# KiCad board AmigaPCI 68040.kicad_pcb
title: AmigaPCI-040 Local Bus Card; date: 2024-05-31; rev: 2.0
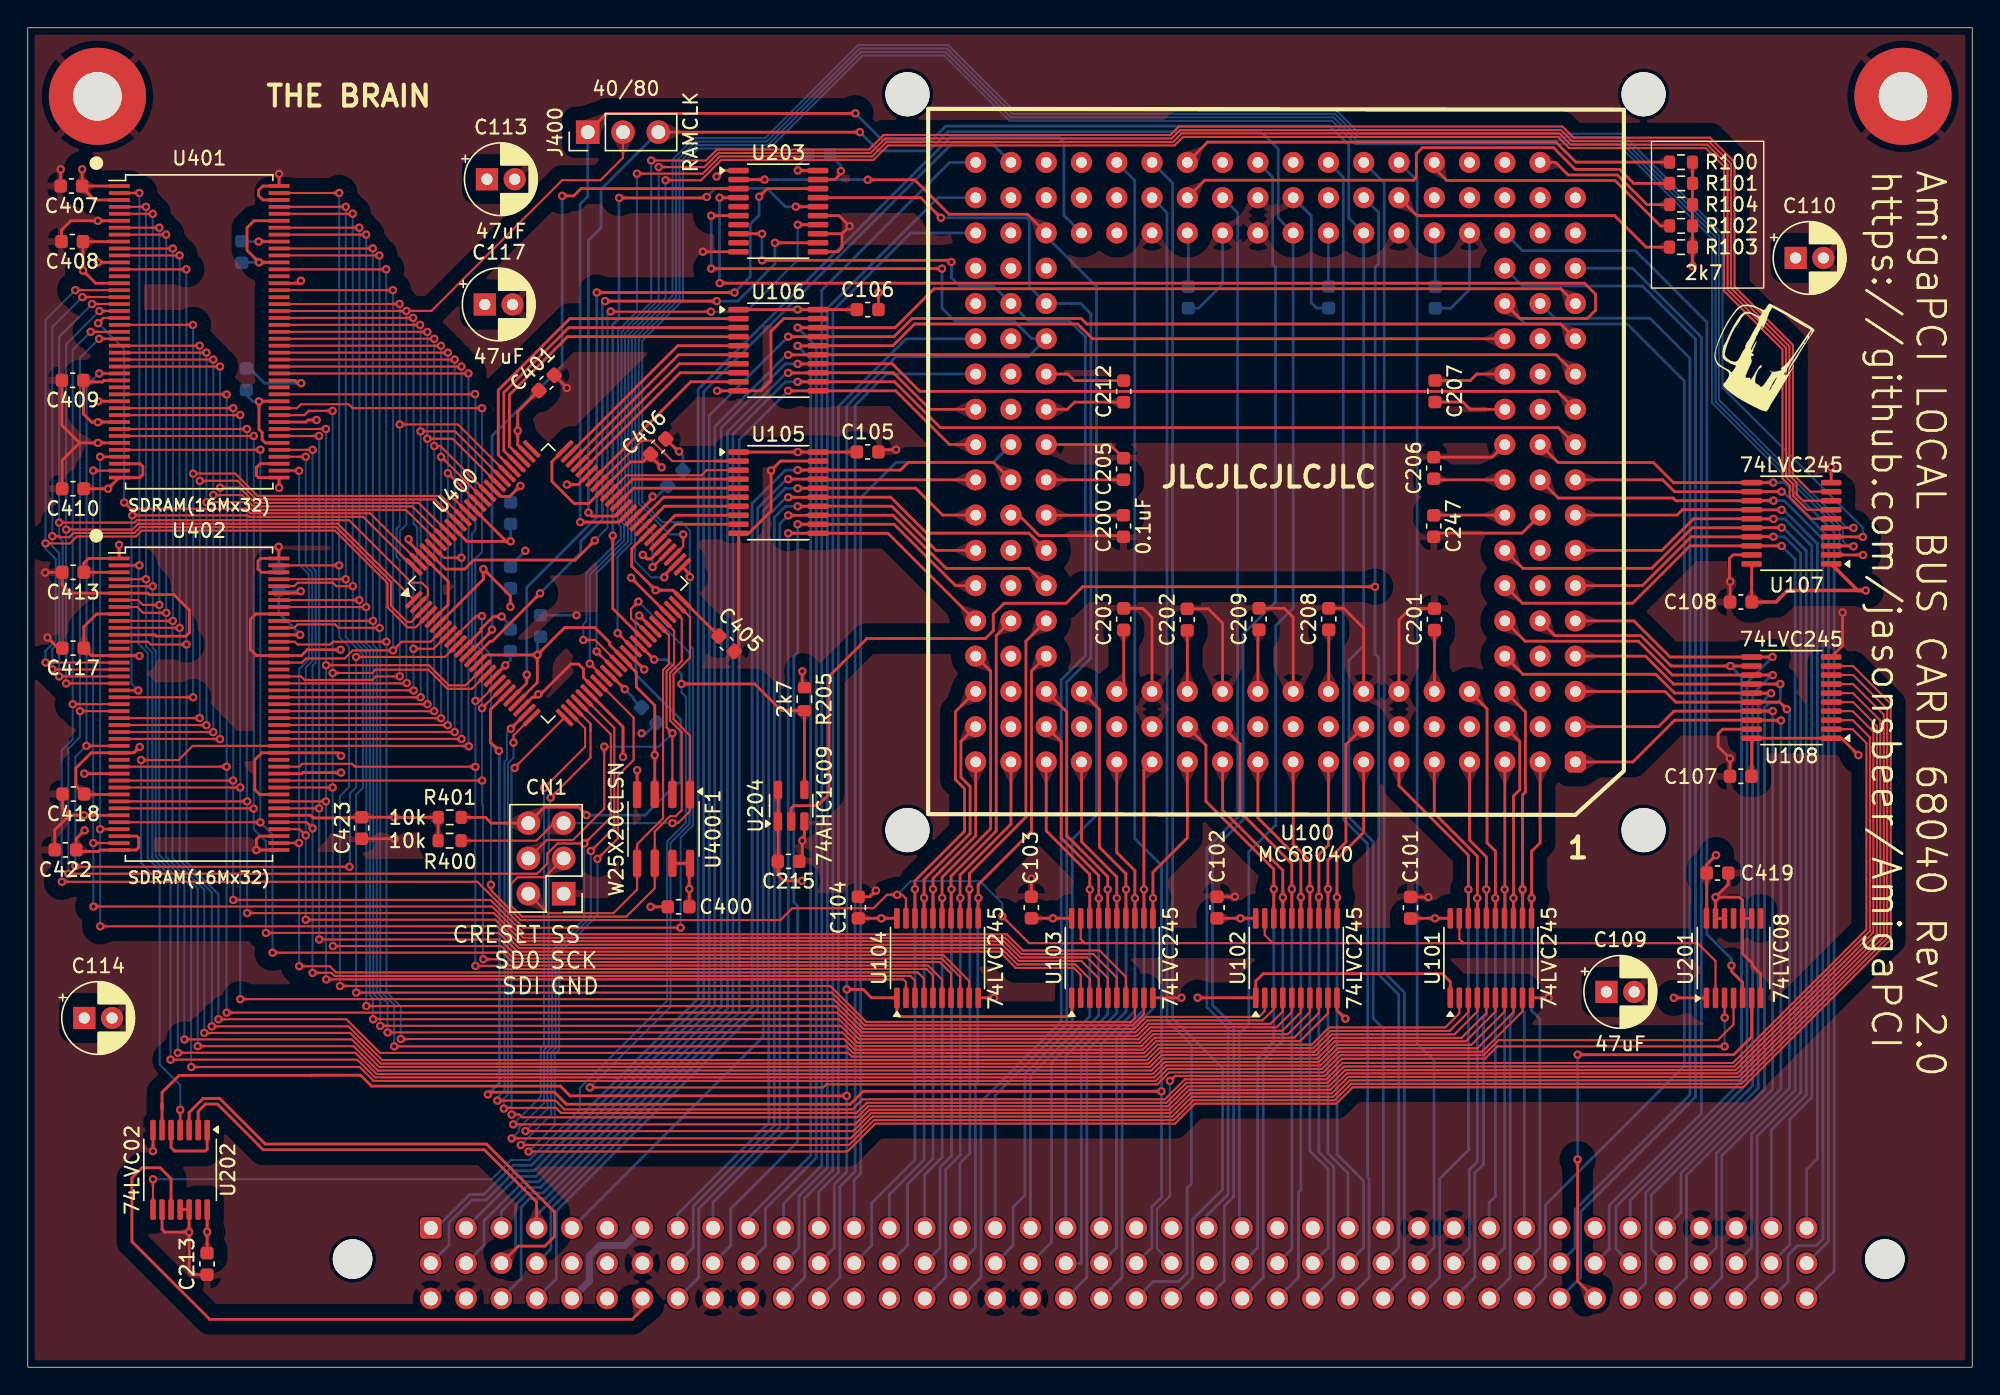
[diagram p0: board, top side]
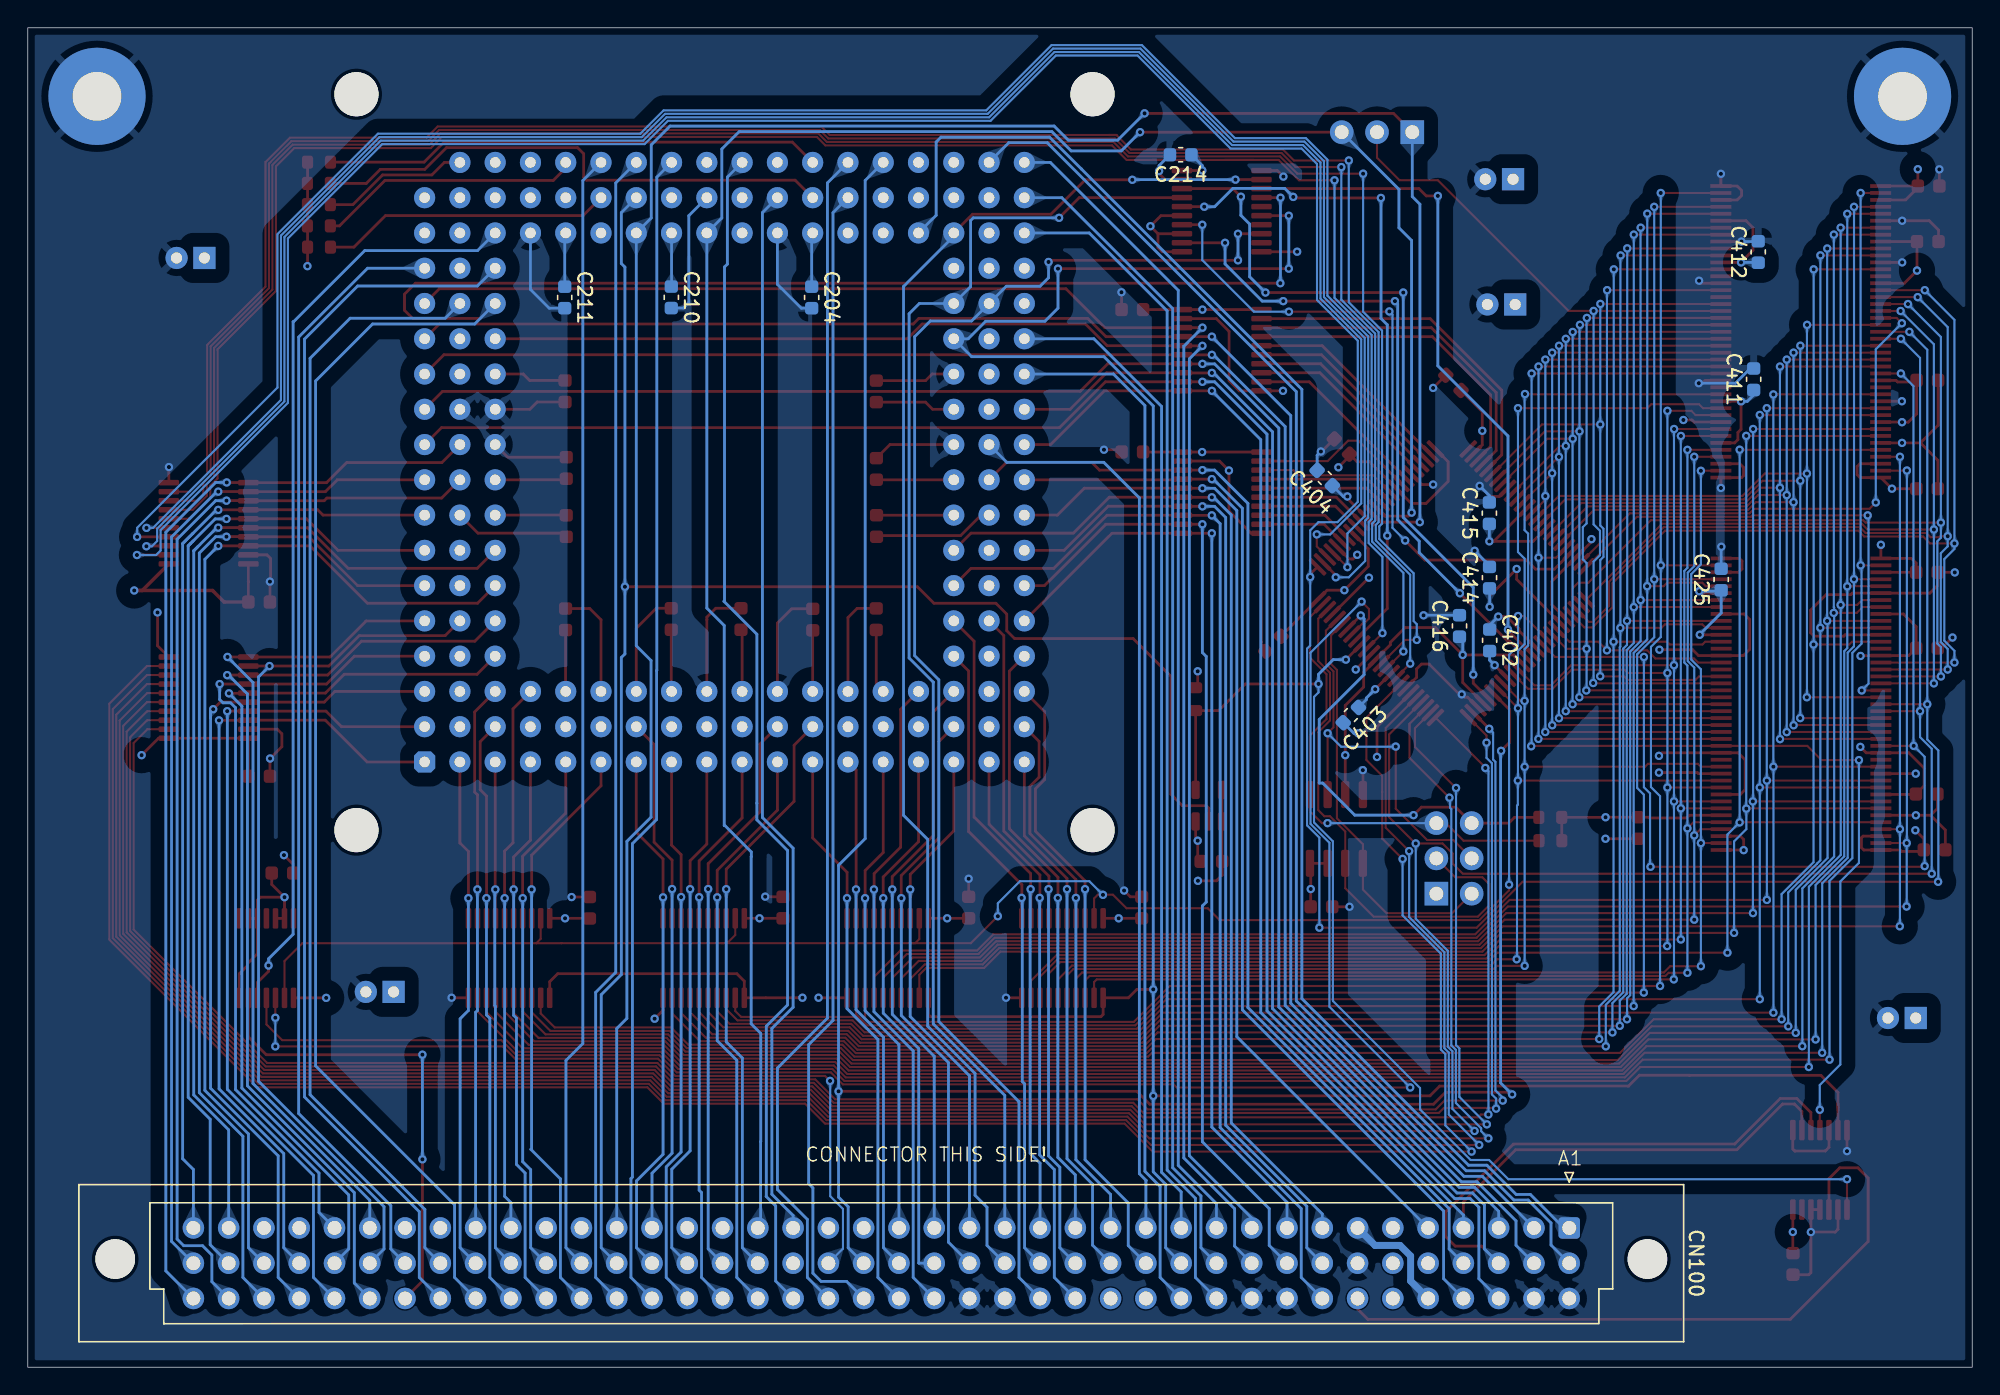
[diagram p1: board, bottom side, seen from below]

Outline 140 x 96.47 mm; copper layers: Top, In1.Cu, In2.Cu, Bottom. Coordinates in mm from the lower left corner of the outline.
Outline path: rectangle 0,96.47 140,0
Stack: Top 0.035mm / dielectric 0.1mm FR4 er 4.5 / In1.Cu 0.035mm / dielectric 1.24mm FR4 er 4.5 / In2.Cu 0.035mm / dielectric 0.1mm FR4 er 4.5 / Bottom 0.035mm

## Placement (name value [footprint] x y rotation side)
C101  0.1uF  [C_0603_1608Metric]  99.56 33.09 90 top
C102  0.1uF  [C_0603_1608Metric]  85.63 33.11 90 top
C103  0.1uF  [C_0603_1608Metric]  72.26 33.11 90 top
C104  0.1uF  [C_0603_1608Metric]  59.8 33.11 90 top
C105  0.1uF  [C_0603_1608Metric]  60.47 65.92 0 top
C106  0.1uF  [C_0603_1608Metric]  60.47 76.17 0 top
C107  0.1uF  [C_0603_1608Metric]  123.34 42.56 180 top
C108  0.1uF  [C_0603_1608Metric]  123.34 55.11 180 top
C109  47uF  [CP_Radial_D5.0mm_P2.00mm]  113.66 27.03 0 top
C110  47uF  [CP_Radial_D5.0mm_P2.00mm]  127.29 79.89 0 top
C113  47uF  [CP_Radial_D5.0mm_P2.00mm]  33.06 85.56 0 top
C114  47uF  [CP_Radial_D5.0mm_P2.00mm]  4.07 25.15 0 top
C117  47uF  [CP_Radial_D5.0mm_P2.00mm]  32.91 76.54 0 top
C200  0.1uF  [C_0603_1608Metric]  78.89 60.59 270 top
C201  0.1uF  [C_0603_1608Metric]  101.28 53.87 90 top
C202  0.1uF  [C_0603_1608Metric]  83.48 53.85 90 top
C203  0.1uF  [C_0603_1608Metric]  78.91 53.88 90 top
C204  0.1uF  [C_0603_1608Metric]  83.56 77.05 270 bottom
C205  0.1uF  [C_0603_1608Metric]  78.9 64.7 90 top
C206  0.1uF  [C_0603_1608Metric]  101.23 64.77 90 top
C207  0.1uF  [C_0603_1608Metric]  101.32 70.29 270 top
C208  0.1uF  [C_0603_1608Metric]  93.67 53.89 90 top
C209  0.1uF  [C_0603_1608Metric]  88.65 53.89 90 top
C210  0.1uF  [C_0603_1608Metric]  93.67 77.06 270 bottom
C211  0.1uF  [C_0603_1608Metric]  101.34 77.05 270 bottom
C212  0.1uF  [C_0603_1608Metric]  78.91 70.28 90 top
C213  0.1uF  [C_0603_1608Metric]  12.91 7.44 90 top
C214  0.1uF  [C_0603_1608Metric]  56.99 87.32 0 bottom
C215  0.1uF  [C_0603_1608Metric]  54.78 36.43 180 top
C247  0.1uF  [C_0603_1608Metric]  101.23 60.58 270 top
C400  0.1uF  [C_0603_1608Metric]  46.86 33.16 0 top
C401  0.1uF  [C_0603_1608Metric]  37.35 70.9 45 top
C402  0.1uF  [C_0603_1608Metric]  34.75 52.36 270 bottom
C403  0.1uF  [C_0603_1608Metric]  44.74 46.97 315 bottom
C404  0.1uF  [C_0603_1608Metric]  46.62 64.04 45 bottom
C405  0.1uF  [C_0603_1608Metric]  50.32 52.1 315 top
C406  0.1uF  [C_0603_1608Metric]  45.38 66.31 45 top
C407  0.1uF  [C_0603_1608Metric]  3.14 85.07 180 top
C408  0.1uF  [C_0603_1608Metric]  3.2 81.07 180 top
C409  0.1uF  [C_0603_1608Metric]  3.23 71.08 180 top
C410  0.1uF  [C_0603_1608Metric]  3.25 63.27 180 top
C411  0.1uF  [C_0603_1608Metric]  15.74 71.16 90 bottom
C412  0.1uF  [C_0603_1608Metric]  15.41 80.32 90 bottom
C413  0.1uF  [C_0603_1608Metric]  3.26 57.25 180 top
C414  0.1uF  [C_0603_1608Metric]  34.76 56.87 90 bottom
C415  0.1uF  [C_0603_1608Metric]  34.77 61.51 90 bottom
C416  0.1uF  [C_0603_1608Metric]  36.92 53.39 90 bottom
C417  0.1uF  [C_0603_1608Metric]  3.26 51.79 180 top
C418  0.1uF  [C_0603_1608Metric]  3.28 41.28 180 top
C419  0.1uF  [C_0603_1608Metric]  121.66 35.59 180 top
C422  0.1uF  [C_0603_1608Metric]  2.71 37.26 180 top
C423  0.1uF  [C_0603_1608Metric]  24.04 38.84 270 top
C425  0.1uF  [C_0603_1608Metric]  18.08 56.73 90 bottom
CN1  SPI  [PinHeader_2x03_P2.54mm_Vertical]  38.58 34.11 180 top
CN100  DIN41612_03x40  [DIN41612_R_3x40_Male_Vertical_THT]  29.02 10.03 270 bottom
G***  LOGO  [Mug]  124.46 73.16 0 top
H1  MountingHole_Pad  [MountingHole_3.5mm_Pad]  5.02 91.53 0 top
H2  MountingHole_Pad  [MountingHole_3.5mm_Pad]  135.02 91.53 0 top
J400  RAMCLK  [PinHeader_1x03_P2.54mm_Vertical]  40.32 88.95 90 top
R100  2k7  [R_0603_1608Metric]  119.03 86.79 180 top
R101  2k7  [R_0603_1608Metric]  119.04 85.26 180 top
R102  2k7  [R_0603_1608Metric]  119.04 82.2 180 top
R103  2k7  [R_0603_1608Metric]  119.03 80.67 180 top
R104  2k7  [R_0603_1608Metric]  119.04 83.73 180 top
R205  2k7  [R_0603_1608Metric]  55.92 48.12 270 top
R400  10k  [R_0603_1608Metric]  30.37 37.92 0 top
R401  10k  [R_0603_1608Metric]  30.38 39.6 0 top
U100  MC68040  [PGA179]  89.84 65.18 0 top
U101  74LVC245  [TSSOP-20_4.4x6.5mm_P0.65mm]  105.35 29.47 90 top
U102  74LVC245  [TSSOP-20_4.4x6.5mm_P0.65mm]  91.34 29.47 90 top
U103  74LVC245  [TSSOP-20_4.4x6.5mm_P0.65mm]  78.09 29.47 90 top
U104  74LVC245  [TSSOP-20_4.4x6.5mm_P0.65mm]  65.5 29.47 90 top
U105  74LVC245  [TSSOP-20_4.4x6.5mm_P0.65mm]  54.04 62.99 0 top
U106  74LVC245  [TSSOP-20_4.4x6.5mm_P0.65mm]  54.04 73.25 0 top
U107  74LVC245  [TSSOP-20_4.4x6.5mm_P0.65mm]  126.98 60.78 180 top
U108  74LVC245  [TSSOP-20_4.4x6.5mm_P0.65mm]  126.98 48.23 180 top
U201  74LVC08  [TSSOP-14_4.4x5mm_P0.65mm]  122.82 29.46 90 top
U202  74LVC02  [TSSOP-14_4.4x5mm_P0.65mm]  10.97 14.21 270 top
U203  74LVC244  [TSSOP-20_4.4x6.5mm_P0.65mm]  54.04 83.26 0 top
U204  74AHC1G09  [SOT-23-5]  54.97 40.44 90 top
U400  ICE40HX1K-VQ100  [LQFP-100_14x14mm_P0.5mm]  37.47 56.46 45 top
U400F1  W25X20CLSN  [SOIC-8_3.9x4.9mm_P1.27mm]  45.78 38.77 270 top
U401  SDRAM(16Mx32)  [TSOP-II-86]  12.35 74.57 0 top
U402  SDRAM(16Mx32)  [TSOP-II-86]  12.33 47.75 0 top

## Library data of the parts
C101-C108 C200-C215 C247 C400-C419 C422 C423 C425 = -: ki_fp_filters: C_*
C109 C110 C113 C114 C117 = -: ki_fp_filters: CP_*
CN1 J400 = -: ki_fp_filters: Connector*:*_1x??_*
CN100 = -: Description: DIN41612 connector, three row, 03x40; ki_fp_filters: DIN41612*2x*
H1 H2 = -: Description: Mounting Hole with connection; ki_fp_filters: MountingHole*Pad*
R100-R104 R400 R401 = -: ki_fp_filters: R_*
R205 = -: Description: Resistor; ki_fp_filters: R_*
U101-U108 = -: Datasheet: http://www.ti.com/lit/gpn/sn74LS245; Description: Octal BUS Transceivers, 3-State outputs; ki_fp_filters: DIP?20*
U201 = -: Datasheet: http://www.ti.com/lit/gpn/sn74LS08; Description: Quad And2; ki_fp_filters: DIP*W7.62mm*
U202 = -: Datasheet: http://www.ti.com/lit/gpn/sn74hc02; Description: quad 2-input NOR gate; ki_fp_filters: SO14* DIP*W7.62mm*
U203 = -: Datasheet: https://assets.nexperia.com/documents/data-sheet/74HC_HCT244.pdf; Description: 8-bit Buffer/Line Driver 3-state; ki_fp_filters: TSSOP*4.4x6.5mm*P0.65mm* SSOP*4.4x6.5mm*P0.65mm*
U204 = -: Datasheet: https://www.ti.com/lit/ds/symlink/sn74ahc1g09.pdf; Description: Single AND Gate, Open Drain, Low-Voltage CMOS; ki_fp_filters: SOT* SG-*
U400 = -: PARTREV: 3.4; STANDARD: IPC 7351B; MANUFACTURER: LATTICE SEMICONDUCTOR; PACKAGE: QFP-100
U400F1 = -: Datasheet: https://www.winbond.com/resource-files/w25x20cl_revf%2020150806.pdf; ki_fp_filters: SOIC*3.9x4.9mm*P1.27mm*
U401 U402 = -: Datasheet: https://www.issi.com/WW/pdf/42-45R-S-32160F.pdf; Description: 16M x 32 bit Synchronous DRAM (SDRAM), TSOP II 86pin

## Footprints (pads in the part's own frame, mm; a bottom-side part is the same pattern mirrored in y, then rotated)
C_0603_1608Metric
  rrect 0.9x0.95 smd: 1(-0.775,0) 2(0.775,0)
CP_Radial_D5.0mm_P2.00mm
  rect 1.6x1.6 hole 0.8: 1(0,0)
  round 1.6 hole 0.8: 2(2,0)
DIN41612_R_3x40_Male_Vertical_THT
  round 2.85 hole 2.85 unplated: (2.24,-104.69) (2.24,5.63)
  rrect 1.55x1.55 hole 1: a1(0,0)
  round 1.55 hole 1: a2(0,-2.54) a3(0,-5.08) a4(0,-7.62) a5(0,-10.16) a6(0,-12.7) a7(0,-15.24) a8(0,-17.78) a9(0,-20.32) a10(0,-22.86) a11(0,-25.4) a12(0,-27.94) a13(0,-30.48) a14(0,-33.02) a15(0,-35.56) a16(0,-38.1) a17(0,-40.64) a18(0,-43.18) a19(0,-45.72) a20(0,-48.26) a21(0,-50.8) a22(0,-53.34) a23(0,-55.88) a24(0,-58.42) a25(0,-60.96) a26(0,-63.5) a27(0,-66.04) a28(0,-68.58) a29(0,-71.12) a30(0,-73.66) a31(0,-76.2) a32(0,-78.74) a33(0,-81.28) a34(0,-83.82) a35(0,-86.36) a36(0,-88.9) a37(0,-91.44) a38(0,-93.98) a39(0,-96.52) a40(0,-99.06) b1(2.54,0) b2(2.54,-2.54) b3(2.54,-5.08) b4(2.54,-7.62) b5(2.54,-10.16) b6(2.54,-12.7) b7(2.54,-15.24) b8(2.54,-17.78) b9(2.54,-20.32) b10(2.54,-22.86) b11(2.54,-25.4) b12(2.54,-27.94) b13(2.54,-30.48) b14(2.54,-33.02) b15(2.54,-35.56) b16(2.54,-38.1) b17(2.54,-40.64) b18(2.54,-43.18) b19(2.54,-45.72) b20(2.54,-48.26) b21(2.54,-50.8) b22(2.54,-53.34) b23(2.54,-55.88) b24(2.54,-58.42) b25(2.54,-60.96) b26(2.54,-63.5) b27(2.54,-66.04) b28(2.54,-68.58) b29(2.54,-71.12) b30(2.54,-73.66) b31(2.54,-76.2) b32(2.54,-78.74) b33(2.54,-81.28) b34(2.54,-83.82) b35(2.54,-86.36) b36(2.54,-88.9) b37(2.54,-91.44) b38(2.54,-93.98) b39(2.54,-96.52) b40(2.54,-99.06) c1(5.08,0) c2(5.08,-2.54) c3(5.08,-5.08) c4(5.08,-7.62) c5(5.08,-10.16) c6(5.08,-12.7) c7(5.08,-15.24) c8(5.08,-17.78) c9(5.08,-20.32) c10(5.08,-22.86) c11(5.08,-25.4) c12(5.08,-27.94) c13(5.08,-30.48) c14(5.08,-33.02) c15(5.08,-35.56) c16(5.08,-38.1) c17(5.08,-40.64) c18(5.08,-43.18) c19(5.08,-45.72) c20(5.08,-48.26) c21(5.08,-50.8) c22(5.08,-53.34) c23(5.08,-55.88) c24(5.08,-58.42) c25(5.08,-60.96) c26(5.08,-63.5) c27(5.08,-66.04) c28(5.08,-68.58) c29(5.08,-71.12) c30(5.08,-73.66) c31(5.08,-76.2) c32(5.08,-78.74) c33(5.08,-81.28) c34(5.08,-83.82) c35(5.08,-86.36) c36(5.08,-88.9) c37(5.08,-91.44) c38(5.08,-93.98) c39(5.08,-96.52) c40(5.08,-99.06)
LQFP-100_14x14mm_P0.5mm
  rrect 1.6x0.3 smd: 1(-7.675,6) 2(-7.675,5.5) 3(-7.675,5) 4(-7.675,4.5) 5(-7.675,4) 6(-7.675,3.5) 7(-7.675,3) 8(-7.675,2.5) 9(-7.675,2) 10(-7.675,1.5) 11(-7.675,1) 12(-7.675,0.5) 13(-7.675,0) 14(-7.675,-0.5) 15(-7.675,-1) 16(-7.675,-1.5) 17(-7.675,-2) 18(-7.675,-2.5) 19(-7.675,-3) 20(-7.675,-3.5) 21(-7.675,-4) 22(-7.675,-4.5) 23(-7.675,-5) 24(-7.675,-5.5) 25(-7.675,-6) 51(7.675,-6) 52(7.675,-5.5) 53(7.675,-5) 54(7.675,-4.5) 55(7.675,-4) 56(7.675,-3.5) 57(7.675,-3) 58(7.675,-2.5) 59(7.675,-2) 60(7.675,-1.5) 61(7.675,-1) 62(7.675,-0.5) 63(7.675,0) 64(7.675,0.5) 65(7.675,1) 66(7.675,1.5) 67(7.675,2) 68(7.675,2.5) 69(7.675,3) 70(7.675,3.5) 71(7.675,4) 72(7.675,4.5) 73(7.675,5) 74(7.675,5.5) 75(7.675,6)
  rrect 0.3x1.6 smd: 26(-6,-7.675) 27(-5.5,-7.675) 28(-5,-7.675) 29(-4.5,-7.675) 30(-4,-7.675) 31(-3.5,-7.675) 32(-3,-7.675) 33(-2.5,-7.675) 34(-2,-7.675) 35(-1.5,-7.675) 36(-1,-7.675) 37(-0.5,-7.675) 38(0,-7.675) 39(0.5,-7.675) 40(1,-7.675) 41(1.5,-7.675) 42(2,-7.675) 43(2.5,-7.675) 44(3,-7.675) 45(3.5,-7.675) 46(4,-7.675) 47(4.5,-7.675) 48(5,-7.675) 49(5.5,-7.675) 50(6,-7.675) 76(6,7.675) 77(5.5,7.675) 78(5,7.675) 79(4.5,7.675) 80(4,7.675) 81(3.5,7.675) 82(3,7.675) 83(2.5,7.675) 84(2,7.675) 85(1.5,7.675) 86(1,7.675) 87(0.5,7.675) 88(0,7.675) 89(-0.5,7.675) 90(-1,7.675) 91(-1.5,7.675) 92(-2,7.675) 93(-2.5,7.675) 94(-3,7.675) 95(-3.5,7.675) 96(-4,7.675) 97(-4.5,7.675) 98(-5,7.675) 99(-5.5,7.675) 100(-6,7.675)
MountingHole_3.5mm_Pad
  round 7 hole 3.5: 1(0,0)
PGA179
  round 3.175 hole 3.175 unplated: (-26.5,26.5) (-26.5,-26.5) (26.5,26.5) (26.5,-26.5)
  rrect 1.524x1.524 hole 0.762: 1(21.59,-21.59)
  round 1.524 hole 0.762: 2(19.05,-21.59) 3(16.51,-21.59) 4(13.97,-21.59) 5(11.43,-21.59) 6(8.89,-21.59) 7(6.35,-21.59) 8(3.81,-21.59) 9(1.27,-21.59) 10(-1.27,-21.59) 11(-3.81,-21.59) 12(-6.35,-21.59) 13(-8.89,-21.59) 14(-11.43,-21.59) 15(-13.97,-21.59) 16(-16.51,-21.59) 17(-19.05,-21.59) 18(-21.59,-21.59) 19(21.59,-19.05) 20(19.05,-19.05) 21(16.51,-19.05) 22(13.97,-19.05) 23(11.43,-19.05) 24(8.89,-19.05) 25(6.35,-19.05) 26(3.81,-19.05) 27(1.27,-19.05) 28(-1.27,-19.05) 29(-3.81,-19.05) 30(-6.35,-19.05) 31(-8.89,-19.05) 32(-11.43,-19.05) 33(-13.97,-19.05) 34(-16.51,-19.05) 35(-19.05,-19.05) 36(-21.59,-19.05) 37(21.59,-16.51) 38(19.05,-16.51) 39(16.51,-16.51) 40(13.97,-16.51) 41(11.43,-16.51) 42(8.89,-16.51) 43(6.35,-16.51) 44(3.81,-16.51) 45(1.27,-16.51) 46(-1.27,-16.51) 47(-3.81,-16.51) 48(-6.35,-16.51) 49(-8.89,-16.51) 50(-11.43,-16.51) 51(-13.97,-16.51) 52(-16.51,-16.51) 53(-19.05,-16.51) 54(-21.59,-16.51) 55(21.59,-13.97) 56(19.05,-13.97) 57(16.51,-13.97) 58(-16.51,-13.97) 59(-19.05,-13.97) 60(-21.59,-13.97) 61(21.59,-11.43) 62(19.05,-11.43) 63(16.51,-11.43) 64(-16.51,-11.43) 65(-19.05,-11.43) 66(-21.59,-11.43) 67(21.59,-8.89) 68(19.05,-8.89) 69(16.51,-8.89) 70(-16.51,-8.89) 71(-19.05,-8.89) 72(-21.59,-8.89) 73(21.59,-6.35) 74(19.05,-6.35) 75(16.51,-6.35) 76(-16.51,-6.35) 77(-19.05,-6.35) 78(-21.59,-6.35) 79(21.59,-3.81) 80(19.05,-3.81) 81(16.51,-3.81) 82(-16.51,-3.81) 83(-19.05,-3.81) 84(-21.59,-3.81) 85(21.59,-1.27) 86(19.05,-1.27) 87(16.51,-1.27) 88(-16.51,-1.27) 89(-19.05,-1.27) 90(-21.59,-1.27) 91(21.59,1.27) 92(19.05,1.27) 93(16.51,1.27) 94(-16.51,1.27) 95(-19.05,1.27) 96(-21.59,1.27) 97(21.59,3.81) 98(19.05,3.81) 99(16.51,3.81) 100(-16.51,3.81) 101(-19.05,3.81) 102(-21.59,3.81) 103(21.59,6.35) 104(19.05,6.35) 105(16.51,6.35) 106(-16.51,6.35) 107(-19.05,6.35) 108(-21.59,6.35) 109(21.59,8.89) 110(19.05,8.89) 111(16.51,8.89) 112(-16.51,8.89) 113(-19.05,8.89) 114(-21.59,8.89) 115(21.59,11.43) 116(19.05,11.43) 117(16.51,11.43) 118(-16.51,11.43) 119(-19.05,11.43) 120(-21.59,11.43) 121(21.59,13.97) 122(19.05,13.97) 123(16.51,13.97) 124(-16.51,13.97) 125(-19.05,13.97) 126(-21.59,13.97) 127(21.59,16.51) 128(19.05,16.51) 129(16.51,16.51) 130(13.97,16.51) 131(11.43,16.51) 132(8.89,16.51) 133(6.35,16.51) 134(3.81,16.51) 135(1.27,16.51) 136(-1.27,16.51) 137(-3.81,16.51) 138(-6.35,16.51) 139(-8.89,16.51) 140(-11.43,16.51) 141(-13.97,16.51) 142(-16.51,16.51) 143(-19.05,16.51) 144(-21.59,16.51) 145(21.59,19.05) 146(19.05,19.05) 147(16.51,19.05) 148(13.97,19.05) 149(11.43,19.05) 150(8.89,19.05) 151(6.35,19.05) 152(3.81,19.05) 153(1.27,19.05) 154(-1.27,19.05) 155(-3.81,19.05) 156(-6.35,19.05) 157(-8.89,19.05) 158(-11.43,19.05) 159(-13.97,19.05) 160(-16.51,19.05) 161(-19.05,19.05) 162(-21.59,19.05) 163(19.05,21.59) 164(16.51,21.59) 165(13.97,21.59) 166(11.43,21.59) 167(8.89,21.59) 168(6.35,21.59) 169(3.81,21.59) 170(1.27,21.59) 171(-1.27,21.59) 172(-3.81,21.59) 173(-6.35,21.59) 174(-8.89,21.59) 175(-11.43,21.59) 176(-13.97,21.59) 177(-16.51,21.59) 178(-19.05,21.59) 179(-21.59,21.59)
PinHeader_1x03_P2.54mm_Vertical
  rect 1.7x1.7 hole 1: 1(0,0)
  oval 1.7x1.7 hole 1: 2(0,-2.54) 3(0,-5.08)
PinHeader_2x03_P2.54mm_Vertical
  rect 1.7x1.7 hole 1: 1(0,0)
  oval 1.7x1.7 hole 1: 2(2.54,0) 3(0,-2.54) 4(2.54,-2.54) 5(0,-5.08) 6(2.54,-5.08)
R_0603_1608Metric
  rrect 0.8x0.95 smd: 1(-0.825,0) 2(0.825,0)
SOIC-8_3.9x4.9mm_P1.27mm
  rrect 1.95x0.6 smd: 1(-2.475,1.905) 2(-2.475,0.635) 3(-2.475,-0.635) 4(-2.475,-1.905) 5(2.475,-1.905) 6(2.475,-0.635) 7(2.475,0.635) 8(2.475,1.905)
SOT-23-5
  rrect 1.325x0.6 smd: 1(-1.137,0.95) 2(-1.137,0) 3(-1.137,-0.95) 4(1.137,-0.95) 5(1.137,0.95)
TSOP-II-86
  rect 1.51x0.27 smd: 1(-5.75,10.5) 2(-5.75,10) 3(-5.75,9.5) 4(-5.75,9) 5(-5.75,8.5) 6(-5.75,8) 7(-5.75,7.5) 8(-5.75,7) 9(-5.75,6.5) 10(-5.75,6) 11(-5.75,5.5) 12(-5.75,5) 13(-5.75,4.5) 14(-5.75,4) 15(-5.75,3.5) 16(-5.75,3) 17(-5.75,2.5) 18(-5.75,2) 19(-5.75,1.5) 20(-5.75,1) 21(-5.75,0.5) 22(-5.75,0) 23(-5.75,-0.5) 24(-5.75,-1) 25(-5.75,-1.5) 26(-5.75,-2) 27(-5.75,-2.5) 28(-5.75,-3) 29(-5.75,-3.5) 30(-5.75,-4) 31(-5.75,-4.5) 32(-5.75,-5) 33(-5.75,-5.5) 34(-5.75,-6) 35(-5.75,-6.5) 36(-5.75,-7) 37(-5.75,-7.5) 38(-5.75,-8) 39(-5.75,-8.5) 40(-5.75,-9) 41(-5.75,-9.5) 42(-5.75,-10) 43(-5.75,-10.5) 44(5.75,-10.5) 45(5.75,-10) 46(5.75,-9.5) 47(5.75,-9) 48(5.75,-8.5) 49(5.75,-8) 50(5.75,-7.5) 51(5.75,-7) 52(5.75,-6.5) 53(5.75,-6) 54(5.75,-5.5) 55(5.75,-5) 56(5.75,-4.5) 57(5.75,-4) 58(5.75,-3.5) 59(5.75,-3) 60(5.75,-2.5) 61(5.75,-2) 62(5.75,-1.5) 63(5.75,-1) 64(5.75,-0.5) 65(5.75,0) 66(5.75,0.5) 67(5.75,1) 68(5.75,1.5) 69(5.75,2) 70(5.75,2.5) 71(5.75,3) 72(5.75,3.5) 73(5.75,4) 74(5.75,4.5) 75(5.75,5) 76(5.75,5.5) 77(5.75,6) 78(5.75,6.5) 79(5.75,7) 80(5.75,7.5) 81(5.75,8) 82(5.75,8.5) 83(5.75,9) 84(5.75,9.5) 85(5.75,10) 86(5.75,10.5)
TSSOP-14_4.4x5mm_P0.65mm
  rrect 1.475x0.4 smd: 1(-2.862,1.95) 2(-2.862,1.3) 3(-2.862,0.65) 4(-2.862,0) 5(-2.862,-0.65) 6(-2.862,-1.3) 7(-2.862,-1.95) 8(2.862,-1.95) 9(2.862,-1.3) 10(2.862,-0.65) 11(2.862,0) 12(2.862,0.65) 13(2.862,1.3) 14(2.862,1.95)
TSSOP-20_4.4x6.5mm_P0.65mm
  rrect 1.475x0.4 smd: 1(-2.862,2.925) 2(-2.862,2.275) 3(-2.862,1.625) 4(-2.862,0.975) 5(-2.862,0.325) 6(-2.862,-0.325) 7(-2.862,-0.975) 8(-2.862,-1.625) 9(-2.862,-2.275) 10(-2.862,-2.925) 11(2.862,-2.925) 12(2.862,-2.275) 13(2.862,-1.625) 14(2.862,-0.975) 15(2.862,-0.325) 16(2.862,0.325) 17(2.862,0.975) 18(2.862,1.625) 19(2.862,2.275) 20(2.862,2.925)

## Nets
+1V2: C117.1 C401.1 C402.1 C403.1 C404.1 CN100.a6 U400.11 U400.35 U400.61 U400.77
+3V3: C101.1 C102.1 C103.1 C104.1 C105.1 C106.1 C107.1 C108.1 C113.1 C114.1 C213.2 C214.1 C215.2 C400.2 C405.1 C406.1 C407.1 C408.1 C409.1 C410.1 C411.1 C412.1 C413.1 C414.1 C415.1 C416.1 C417.1 C418.1 C419.2 C422.1 C423.1 C425.1 CN100.a21 CN100.a34 CN100.b5 CN100.b6 CN100.c13 CN100.c14 R205.1 R400.1 R401.1 U101.20 U102.20 U103.20 U104.20 U105.1 U105.20 U106.1 U106.20 U107.1 U107.20 U108.1 U108.20 U201.1 U201.14 U202.14 U203.20 U204.1 U204.5 U400.6 U400.14 U400.22 U400.31 U400.38 U400.50 U400.58 U400.67 U400.75 U400.88 U400.92 U400F1.3 U400F1.7 U400F1.8 U401.1 U401.3 U401.9 U401.15 U401.29 U401.35 U401.41 U401.43 U401.49 U401.55 U401.75 U401.81 U402.1 U402.3 U402.9 U402.15 U402.29 U402.35 U402.41 U402.43 U402.49 U402.55 U402.75 U402.81
+5V: C109.1 C110.1 C200.1 C201.1 C202.1 C203.1 C204.1 C205.1 C206.1 C207.1 C208.1 C209.1 C210.1 C211.1 C212.1 C247.1 CN100.a7 CN100.a22 CN100.a25 CN100.a26 CN100.a33 CN100.c5 R100.1 R101.1 R102.1 R103.1 R104.1 U100.23 U100.27 U100.32 U100.38 U100.41 U100.44 U100.46 U100.48 U100.50 U100.53 U100.74 U100.77 U100.81 U100.82 U100.87 U100.88 U100.100 U100.104 U100.105 U100.107 U100.128 U100.131 U100.134 U100.138 U100.143 U100.152 U100.160
GND: C101.2 C102.2 C103.2 C104.2 C105.2 C106.2 C107.2 C108.2 C109.2 C110.2 C113.2 C114.2 C117.2 C200.2 C201.2 C202.2 C203.2 C204.2 C205.2 C206.2 C207.2 C208.2 C209.2 C210.2 C211.2 C212.2 C213.1 C214.2 C215.1 C247.2 C400.1 C401.2 C402.2 C403.2 C404.2 C405.2 C406.2 C407.2 C408.2 C409.2 C410.2 C411.2 C412.2 C413.2 C414.2 C415.2 C416.2 C417.2 C418.2 C419.1 C422.2 C423.2 C425.2 CN1.1 CN100.a29 CN100.a30 CN100.a37 CN100.a38 CN100.b7 CN100.c1 CN100.c2 CN100.c9 CN100.c10 CN100.c17 CN100.c18 H1.1 H2.1 U100.20 U100.22 U100.24 U100.26 U100.28 U100.31 U100.33 U100.35 U100.42 U100.43 U100.45 U100.47 U100.49 U100.56 U100.59 U100.68 U100.71 U100.80 U100.83 U100.93 U100.94 U100.98 U100.99 U100.101 U100.106 U100.110 U100.113 U100.122 U100.125 U100.130 U100.132 U100.136 U100.137 U100.139 U100.146 U100.153 U100.154 U100.159 U100.161 U100.165 U100.172 U101.10 U102.10 U103.10 U104.10 U105.10 U105.19 U106.10 U106.19 U107.10 U107.19 U108.10 U108.19 U201.7 U201.9 U201.10 U201.12 U201.13 U202.7 U202.9 U202.11 U202.12 U203.1 U203.10 U203.11 U203.13 U203.15 U203.19 U204.3 U400.5 U400.17 U400.23 U400.32 U400.39 U400.47 U400.55 U400.70 U400.84 U400.98 U400F1.4 U401.6 U401.12 U401.32 U401.38 U401.44 U401.46 U401.52 U401.58 U401.72 U401.78 U401.84 U401.86 U402.6 U402.12 U402.32 U402.38 U402.44 U402.46 U402.52 U402.58 U402.72 U402.78 U402.84 U402.86
/Card Connector/CDONE: U201.4 U400.43
/Card Connector/U109_CRESET: CN1.6 R401.2 U400.44
/Card Connector/U109_SCK: CN1.3 U400.48 U400F1.6
/Card Connector/U109_SDI: CN1.2 U400.45 U400F1.5
/Card Connector/U109_SDO: CN1.4 U400.46 U400F1.2
/Card Connector/U109_SS: CN1.5 R400.2 U400.49 U400F1.1
/CPU/_CDIS: R102.2 U100.166
/CPU/_MDIS: R103.2 U100.150
/CPU/SC0: R100.2 U100.173
/CPU/SC1: R101.2 U100.156
/CPU/TDO: R104.2 U100.163
_BB: CN100.b1 U100.178
_BG: CN100.c22 U100.174
_BR: CN100.a11 U100.179
_CPUCONF: CN100.c7 U202.10
_EM0CS: U400.99 U401.20
_EM1CS: U400.100 U402.20
_EMCAS: U400.2 U401.18 U402.18
_EMRAS: U400.1 U401.19 U402.19
_EMWE: U400.3 U401.17 U402.17
_INT2: CN100.c6
_INT6: CN100.b23
_IPL0: CN100.c27 U100.169
_IPL1: CN100.c28 U100.168
_IPL2: CN100.b29 U100.167
_LBEN: CN100.b22 U201.3
_LLBE: U400.4 U401.16 U402.16
_LMBE: U400.7 U401.71 U402.71
_LOCK: CN100.b11 U100.162
_LOCKE: CN100.c11 U100.144
_RAMEN: U101.19 U102.19 U103.19 U104.19 U201.2 U400.9
_RESET: CN100.b28 U100.151 U204.2
_RESETOUT: U100.129 U201.5